# Altium PCB WPTChargerMain.PcbDoc (part 1 of 3)
Units mm, origin at the board's own origin, x right, y up, seen from the top; angles counter-clockwise.
Board outline 107.3 x 57.2 mm, 4 copper layers (Top, GND, Power, Bottom), stack 1.534 mm thick; 206 components, 90 nets, 548 pads, 577 vias.
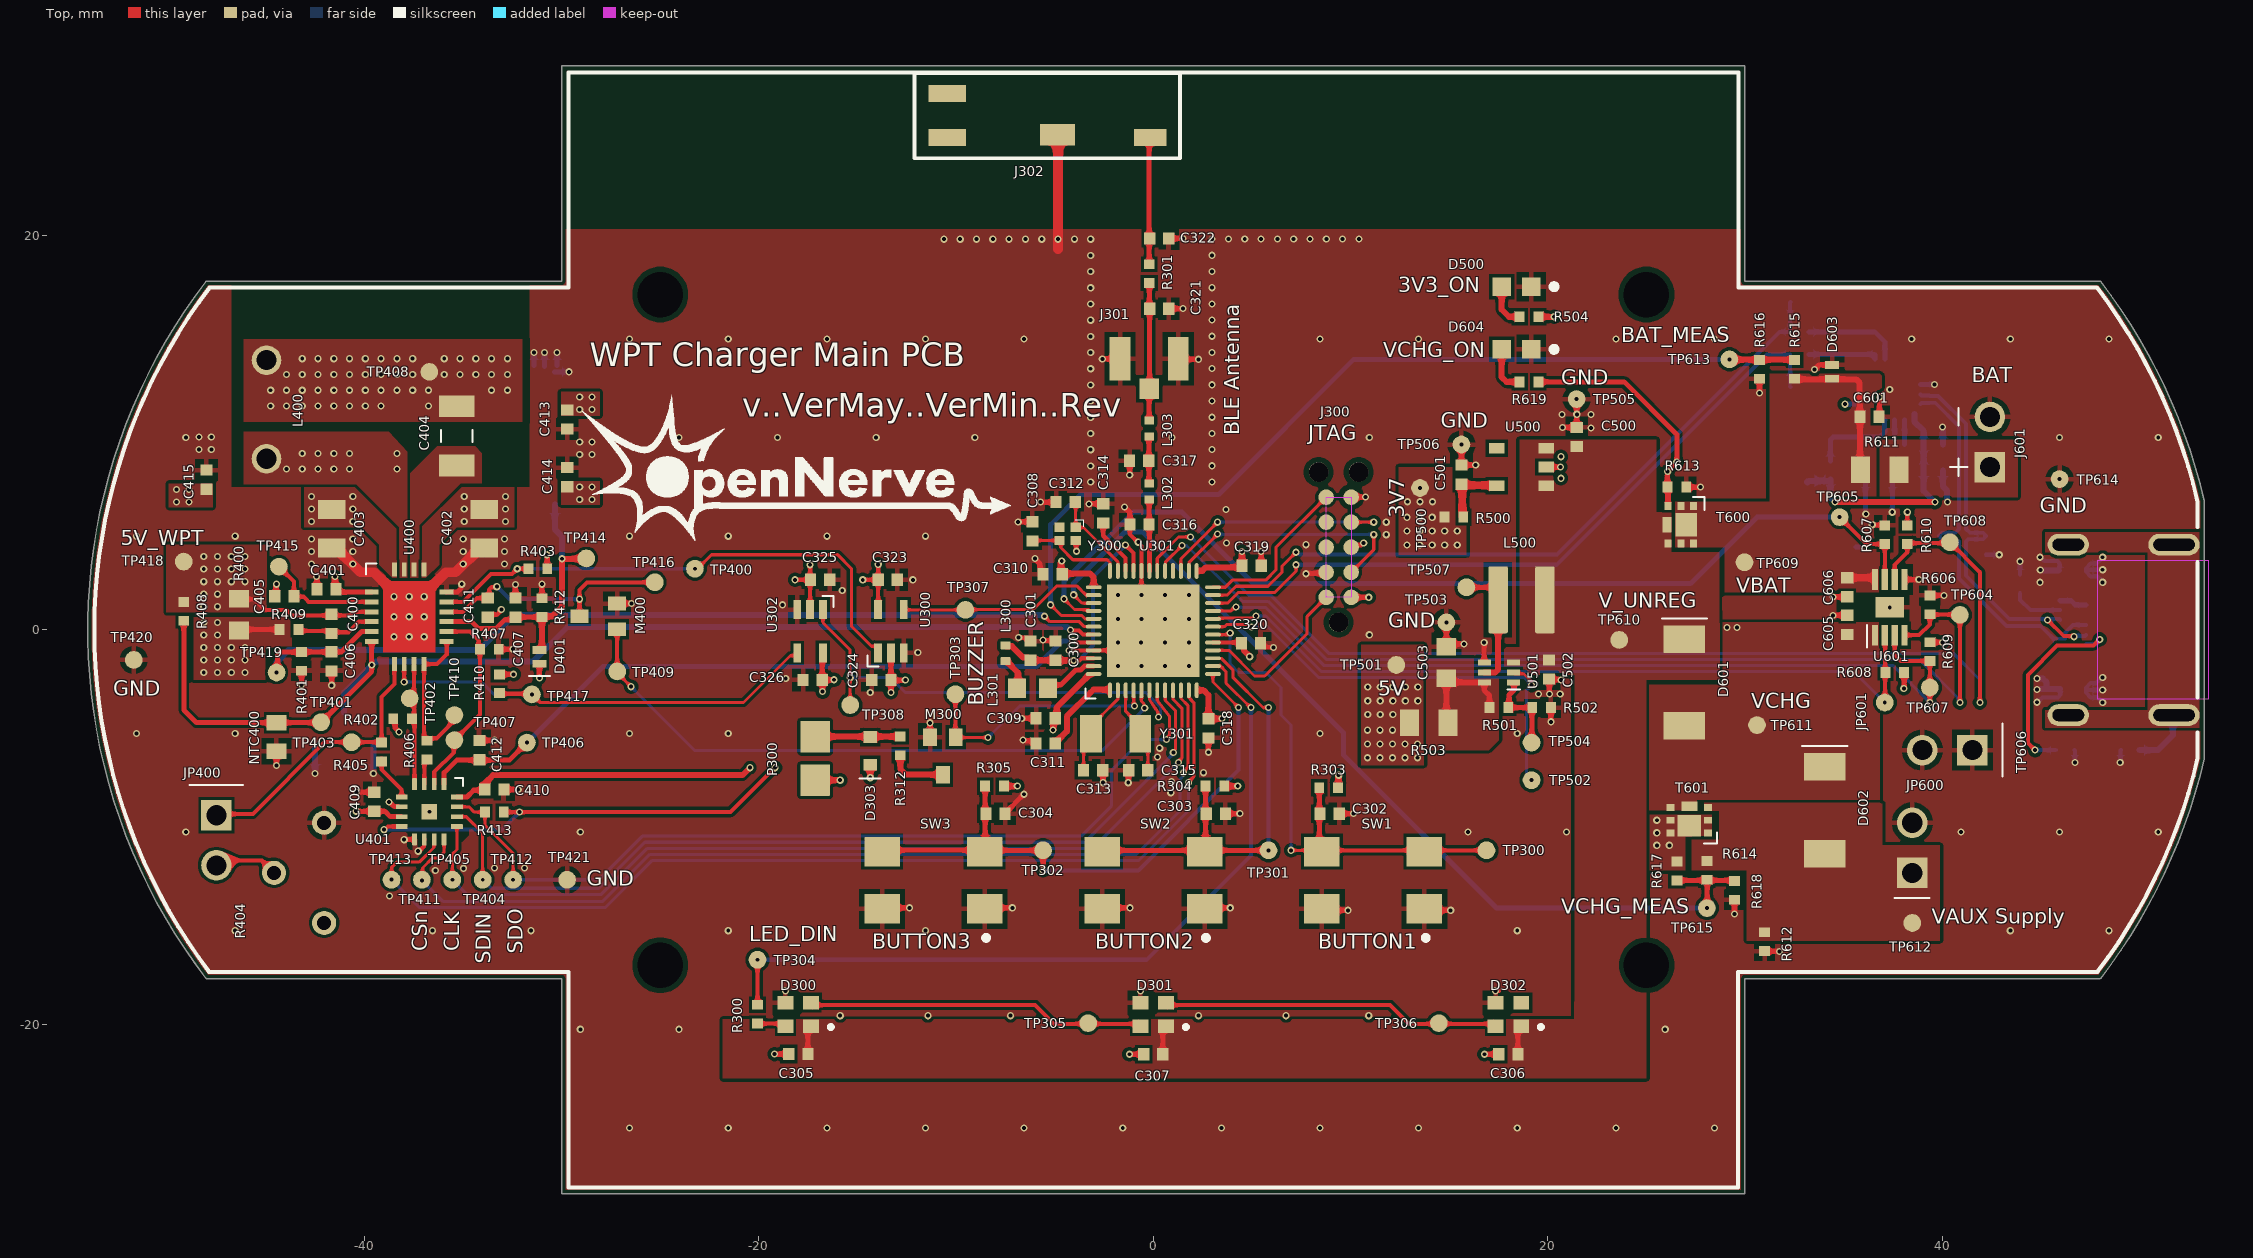
[diagram p0: Top view]
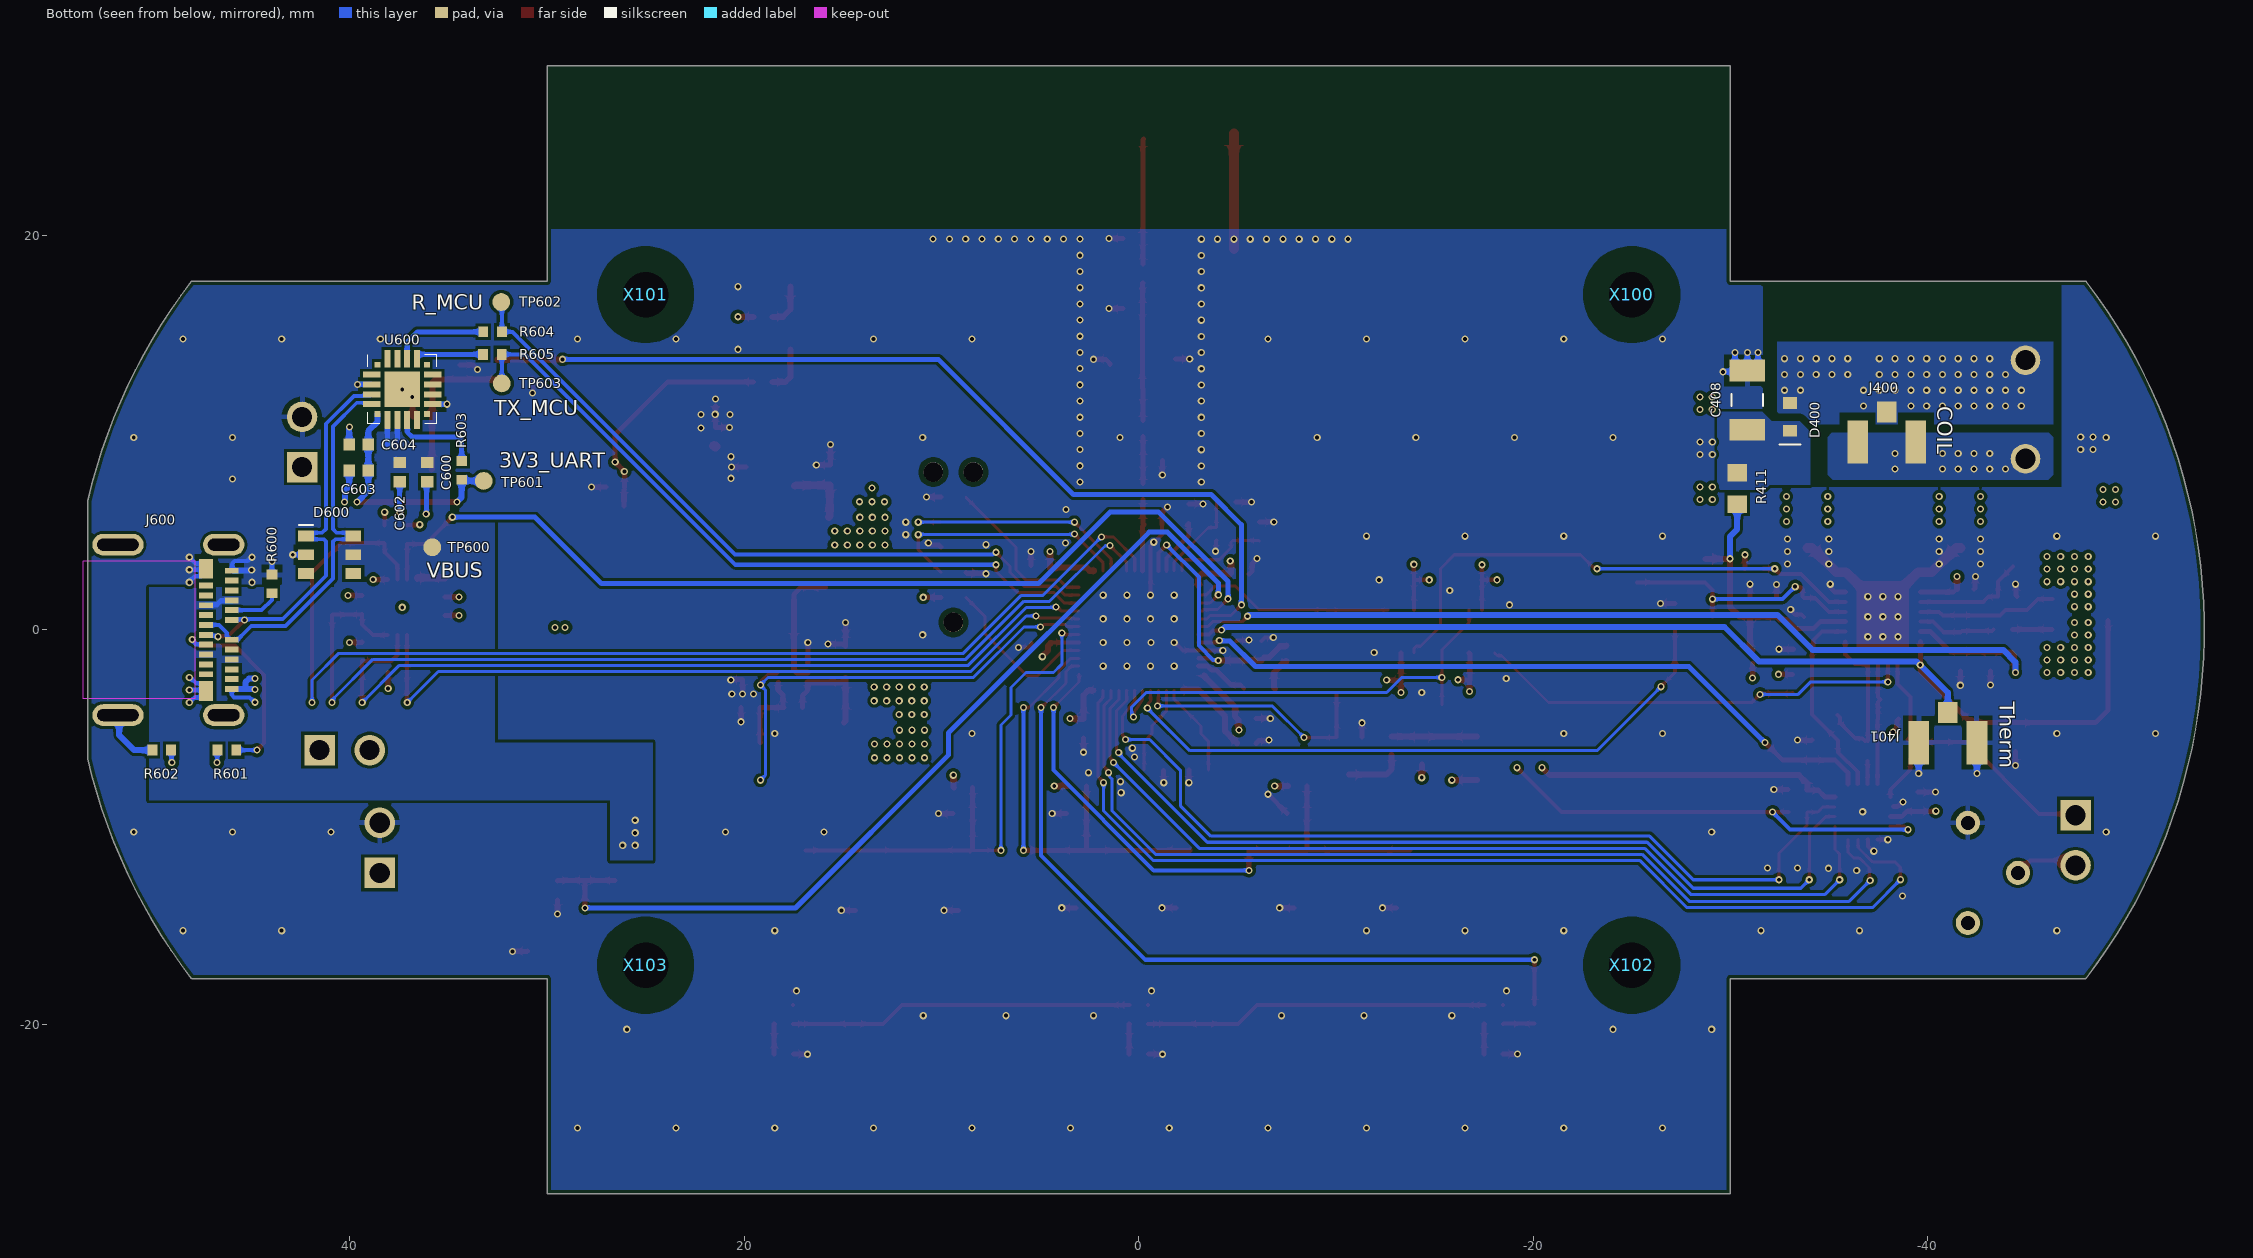
[diagram p1: Bottom view, seen from below]
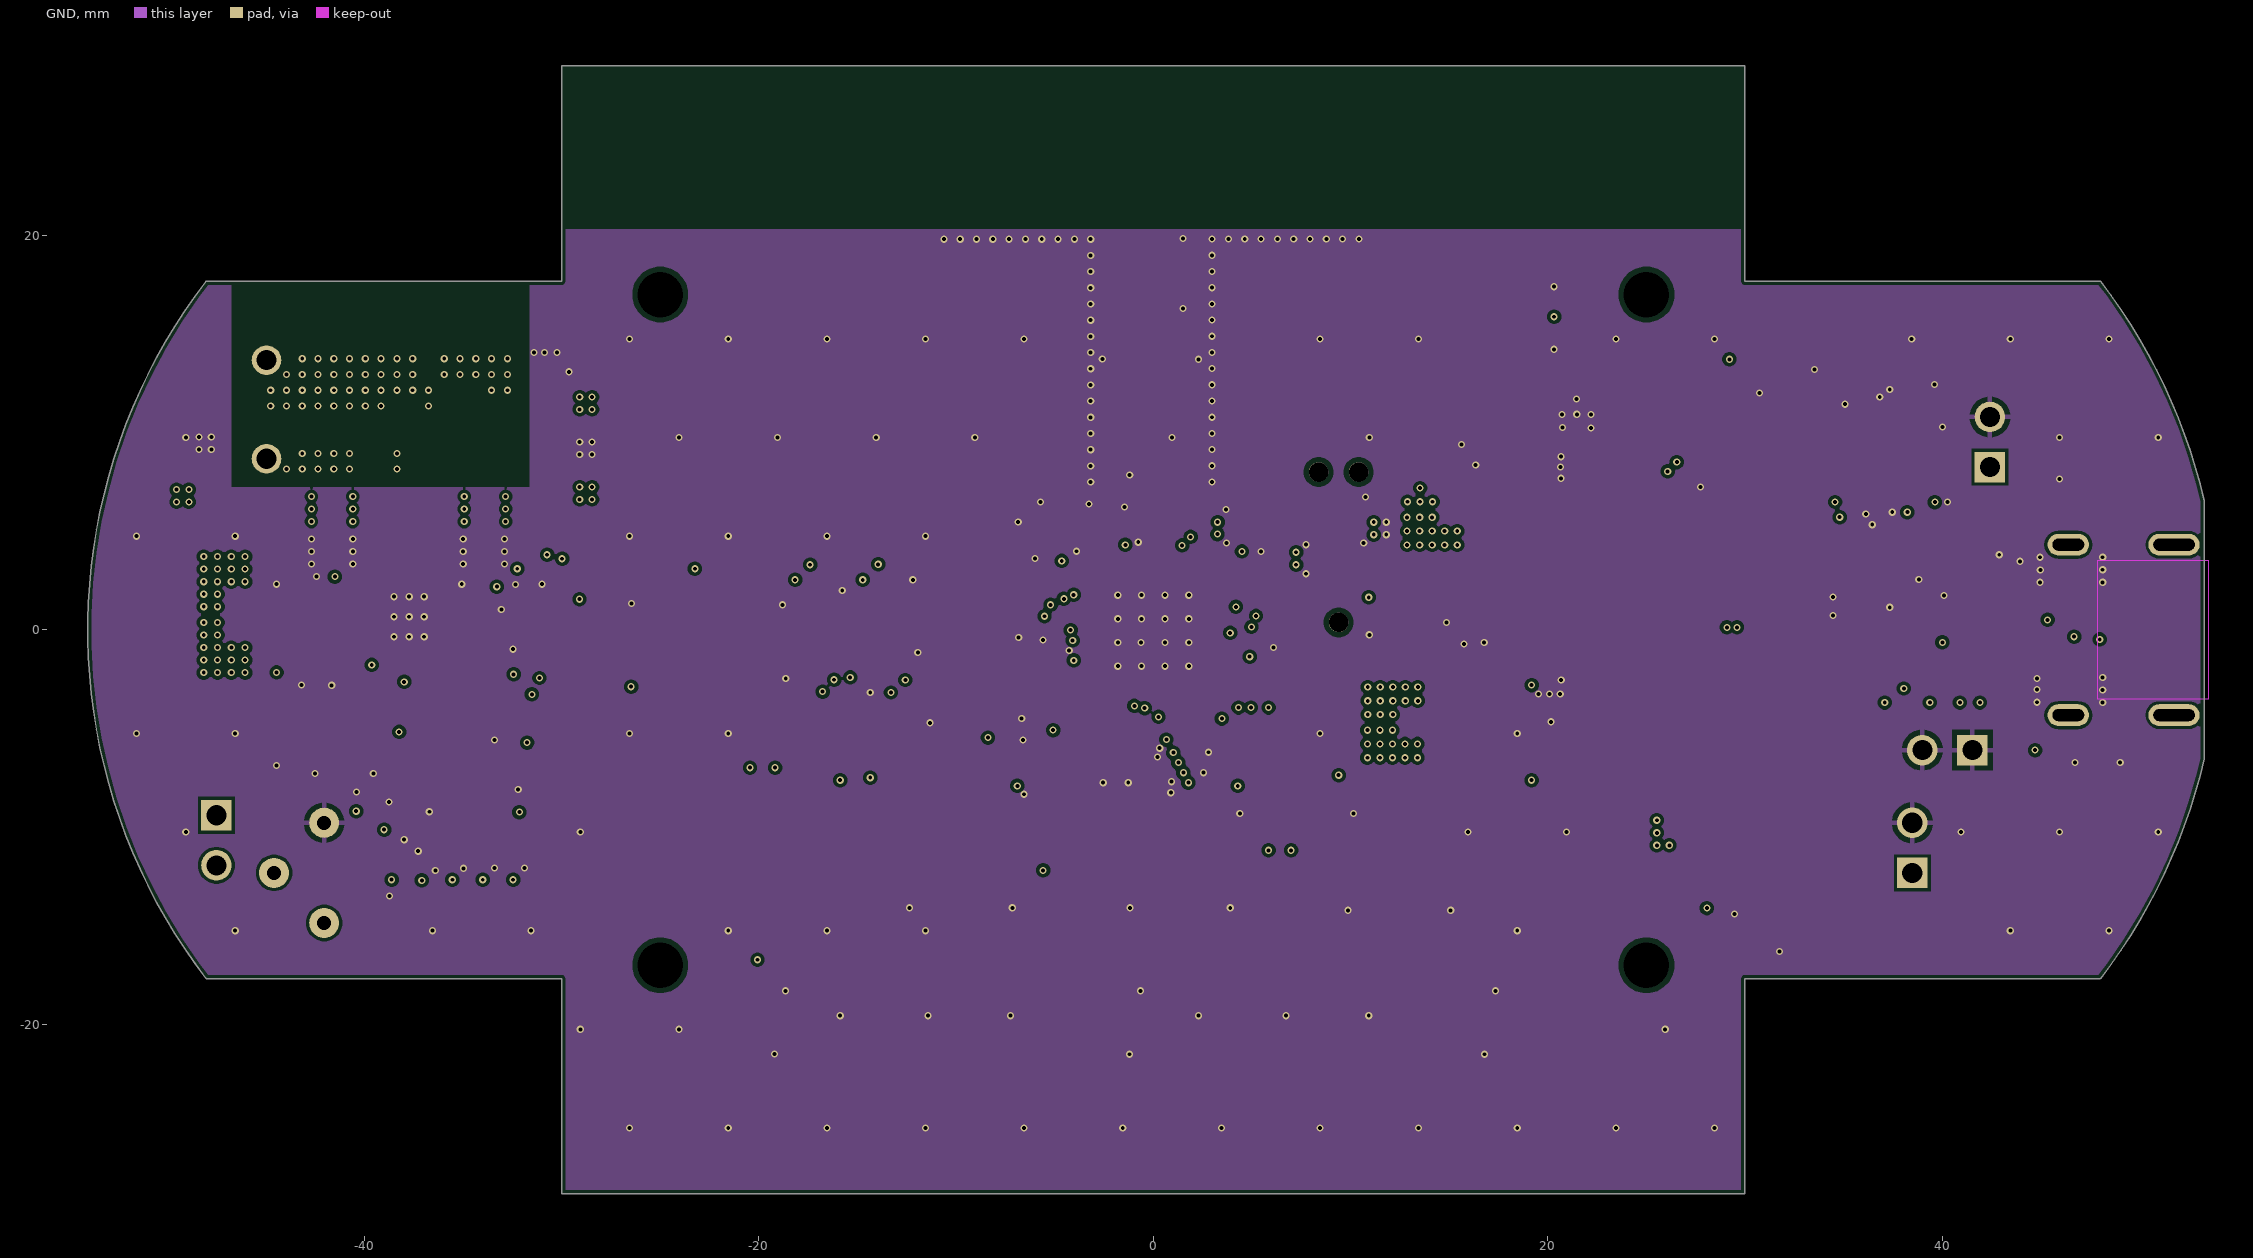
[diagram p2: GND]
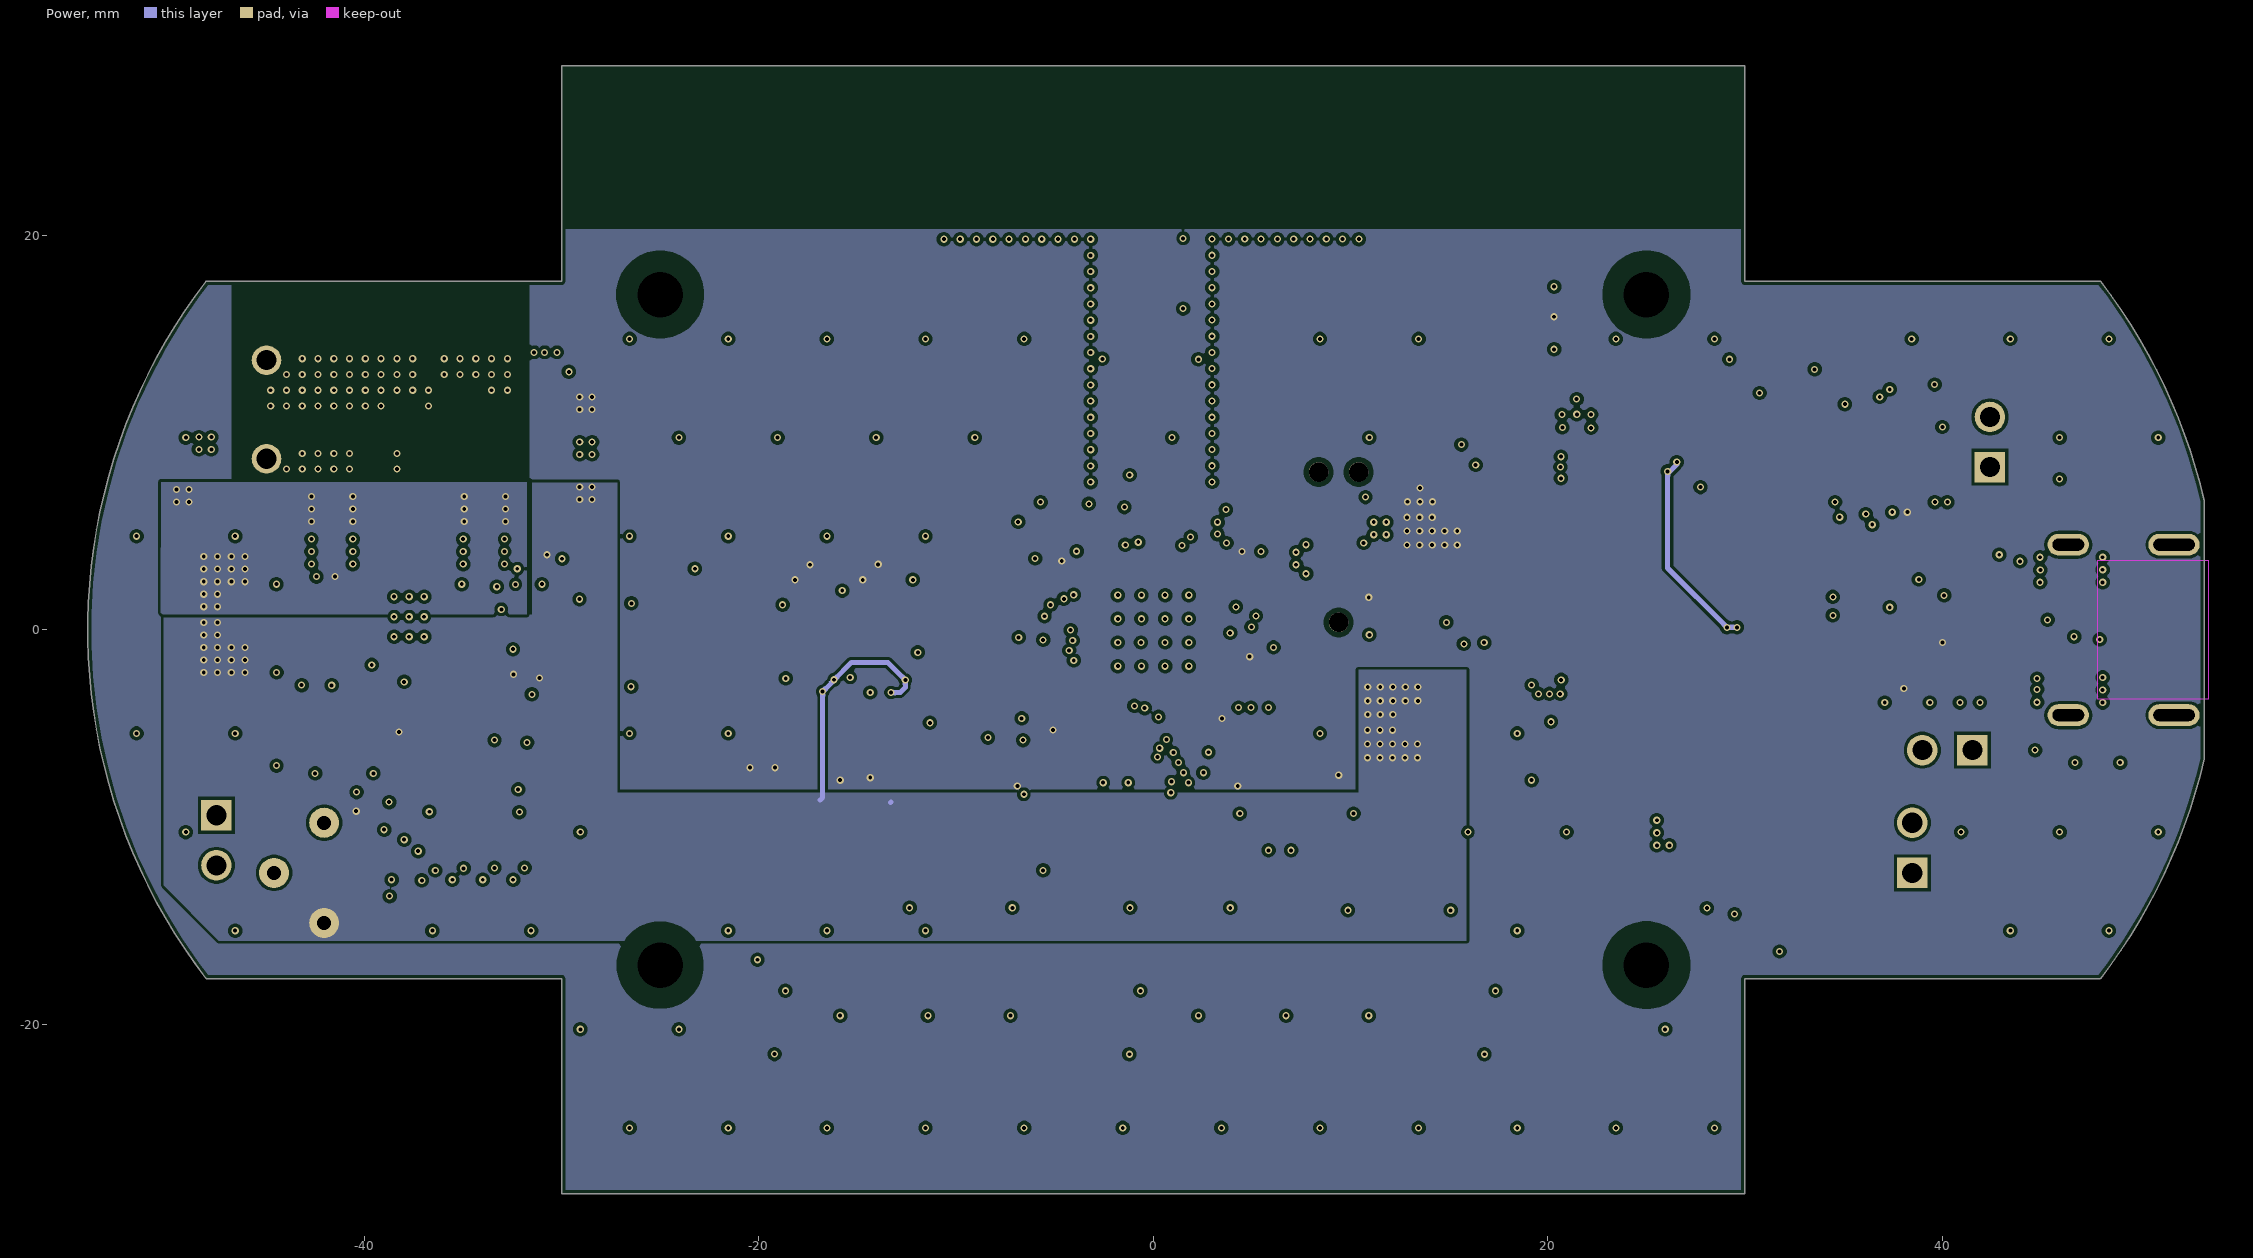
[diagram p3: Power]
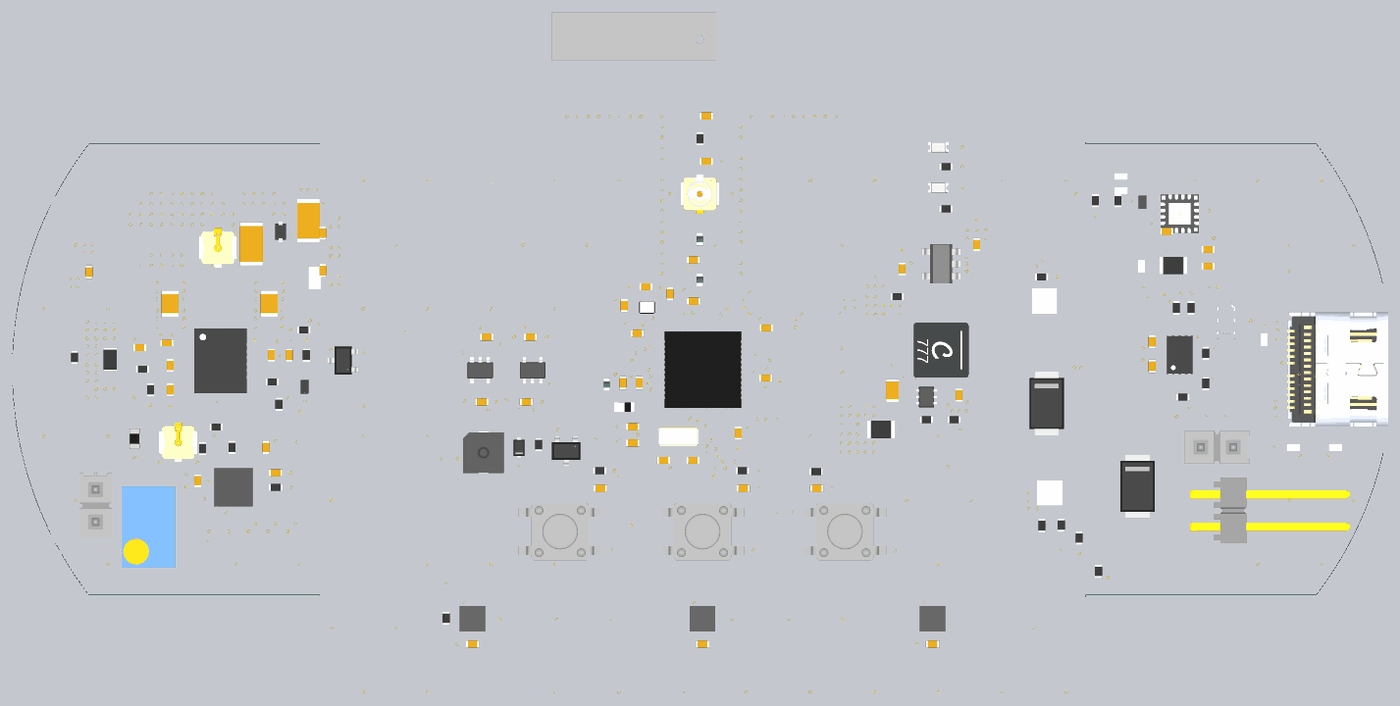
[diagram p6: 3D render of the assembled board from above, using the file's embedded part models]
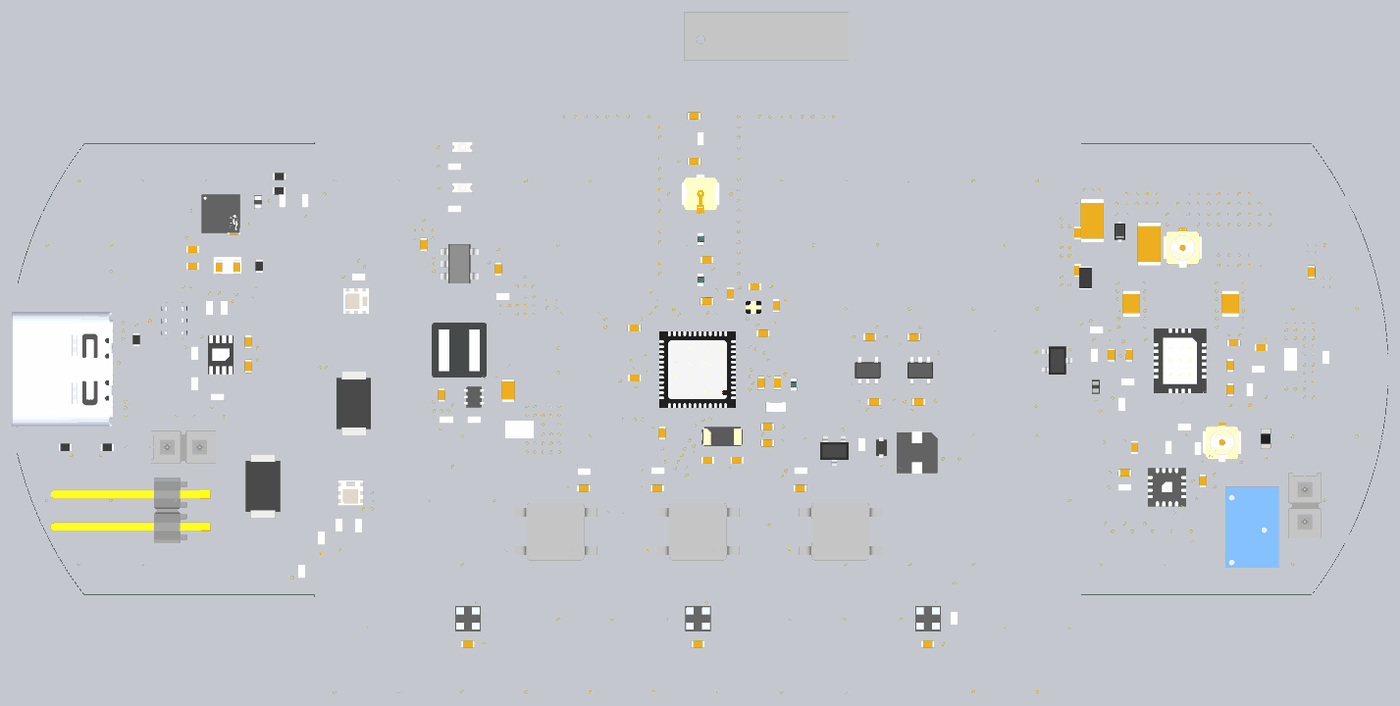
[diagram p7: 3D render of the assembled board from below, using the file's embedded part models]

## Layer stack, top to bottom
Top Solder: solder mask 0.0178, Solder Resist, Dk 3.5
Top: signal copper 0.0508
Dielectric 1: prepreg 0.2032, FR-4, Dk 4.5
GND: signal copper 0.0305
Dielectric 3: core 0.9652, FR-4, Dk 4.6
Power: signal copper 0.0305
Dielectric2: prepreg 0.2032, FR-4, Dk 4.5
Bottom: signal copper 0.0508
Bottom Solder: solder mask 0.0178, Solder Resist, Dk 3.5

## Board outline
-48,-17.678 -29.997,-17.678 -29.997,-28.571 -29.972,-28.596 29.958,-28.596 29.997,-28.575 29.997,-17.678 48,-17.678 48.027,-17.669 ccw(c25,0) 53.281,-6.529 53.281,-6.516 53.281,6.516 53.281,6.529 ccw(c25,0) 48.027,17.669 48,17.678 29.997,17.678 29.997,28.575 29.972,28.6 -29.972,28.6 -29.997,28.575 -29.997,17.678 -48,17.678 -48.027,17.669 ccw(c-25,0)

## Design rules (kind name [scope] priority, off if disabled: settings)
BoardOutlineClearance [All] p1: gap=0.2 ignorepadtopadclearanceinfootprint=FALSE
Clearance Clearance_HV [InNet('NetC404_1')] p1: gap=0.4 ignorepadtopadclearanceinfootprint=TRUE
Clearance [All] p2: gap=0.152 ignorepadtopadclearanceinfootprint=TRUE except(0.254: Arc-Hole Track-Hole SMDPad-Hole THPad-Hole Via-Hole Fill-Hole Poly-Hole Region-Hole Text-Hole)
ComponentClearance [All] p1: gap=0.102 collisioncheckmode=3 verticalgap=0.102 showdistances=TRUE
DiffPairsRouting [InDifferentialPair('USB')] p1: maxlimit=0.152 minlimit=0.102 mostfreqgap=0.152 toplayer_mingap=0.152 toplayer_minwidth=0.198 toplayer_maxwidth=0.198 toplayer_prefwidth=0.198 bottomlayer_mingap=0.152 bottomlayer_minwidth=0.198 bottomlayer_maxwidth=0.198 bottomlayer_prefwidth=0.198 impedanceprofiledriven=TRUE impedanceprofileid={1C17D8EC-6927-43CF-8075-39BAC8EF22F2} impedanceprofilevalue=90.000000 maxuncoupledlength=12.7
Height [All] p1: minheight=0 maxheight=1816.048 prefheight=12.7
HoleSize [All] p1: absolutevalues=TRUE maxlimit=6.3 minlimit=0.2 maxpercent=80.000 minpercent=20.000
HoleToHoleClearance [All] p1: gap=0.254 allowstackedmicrovias=FALSE
MaxMinImpedance "Schematic Impedance Constraint" [InNetClass('50_OHM')] p1: minimum=50.00 maximum=50.00
MinimumAnnularRing [All] p1: minimumring=0.076
MinimumSolderMaskSliver [All] p1: minsoldermaskwidth=0.1
PlaneClearance [All] p1: clearance=0.102
PlaneConnect PlaneConnectPowerPads [InPadClass('PowerPads')] p1: planeconnectstyle=Direct reliefexpansion=0.508 reliefentries=4 reliefconductorwidth=0.254 reliefairgap=0.254
PlaneConnect [All] p2: pad.planeconnectstyle=Relief pad.reliefexpansion=0.3 pad.reliefentries=4 pad.reliefconductorwidth=0.102 pad.reliefairgap=0.102 via.planeconnectstyle=Direct via.reliefexpansion=0.3 via.reliefentries=4 via.reliefconductorwidth=0.127 via.reliefairgap=0.127
PolygonConnect PolygonConnectDirectGND [InNet('GND') vs (InComponent('C402') or InComponent('C403'))] p1: connectstyle=Direct reliefconductorwidth=0.254 reliefentries=4 polygonreliefangle="90 Angle" airgapwidth=0.254
PolygonConnect PolygonConnectGND [InNet('GND')] p2: thpad.connectstyle=Relief thpad.reliefconductorwidth=0.254 thpad.reliefentries=4 thpad.polygonreliefangle="90 Angle" thpad.airgapwidth=0.254 smdpad.connectstyle=Relief smdpad.reliefconductorwidth=0.254 smdpad.reliefentries=4 smdpad.polygonreliefangle="90 Angle" smdpad.airgapwidth=0.254 via.connectstyle=Direct via.reliefconductorwidth=0.254 via.reliefentries=4 via.polygonreliefangle="90 Angle" via.airgapwidth=0.254
PolygonConnect PolygonConnectDirect [(InNet('+5V0_WPT_VIN') OR InNet('WPT_SW1') OR InNet('WPT_SW2') OR InNet('NetC404_1') OR InNet('NetC408_2'))] p3: connectstyle=Direct reliefconductorwidth=0.254 reliefentries=4 polygonreliefangle="90 Angle" airgapwidth=0.254
PolygonConnect PolygonConnectPowerPads [InNetClass('POWER')] p4: connectstyle=Direct reliefconductorwidth=0.305 reliefentries=4 polygonreliefangle="90 Angle" airgapwidth=0.305
PolygonConnect [All] p5: thpad.connectstyle=Relief thpad.reliefconductorwidth=0.102 thpad.reliefentries=4 thpad.polygonreliefangle="90 Angle" thpad.airgapwidth=0.102 smdpad.connectstyle=Relief smdpad.reliefconductorwidth=0.102 smdpad.reliefentries=4 smdpad.polygonreliefangle="90 Angle" smdpad.airgapwidth=0.102 via.connectstyle=Direct via.reliefconductorwidth=0.127 via.reliefentries=4 via.polygonreliefangle="90 Angle" via.airgapwidth=0.127
RoutingVias [All] p1: holewidth=0.2 width=0.365 viastyle="Through Hole" minholewidth=0.2 minwidth=0.365 maxholewidth=6.3 maxwidth=6.55